# Altium PCB XDS110.PcbDoc (continued)
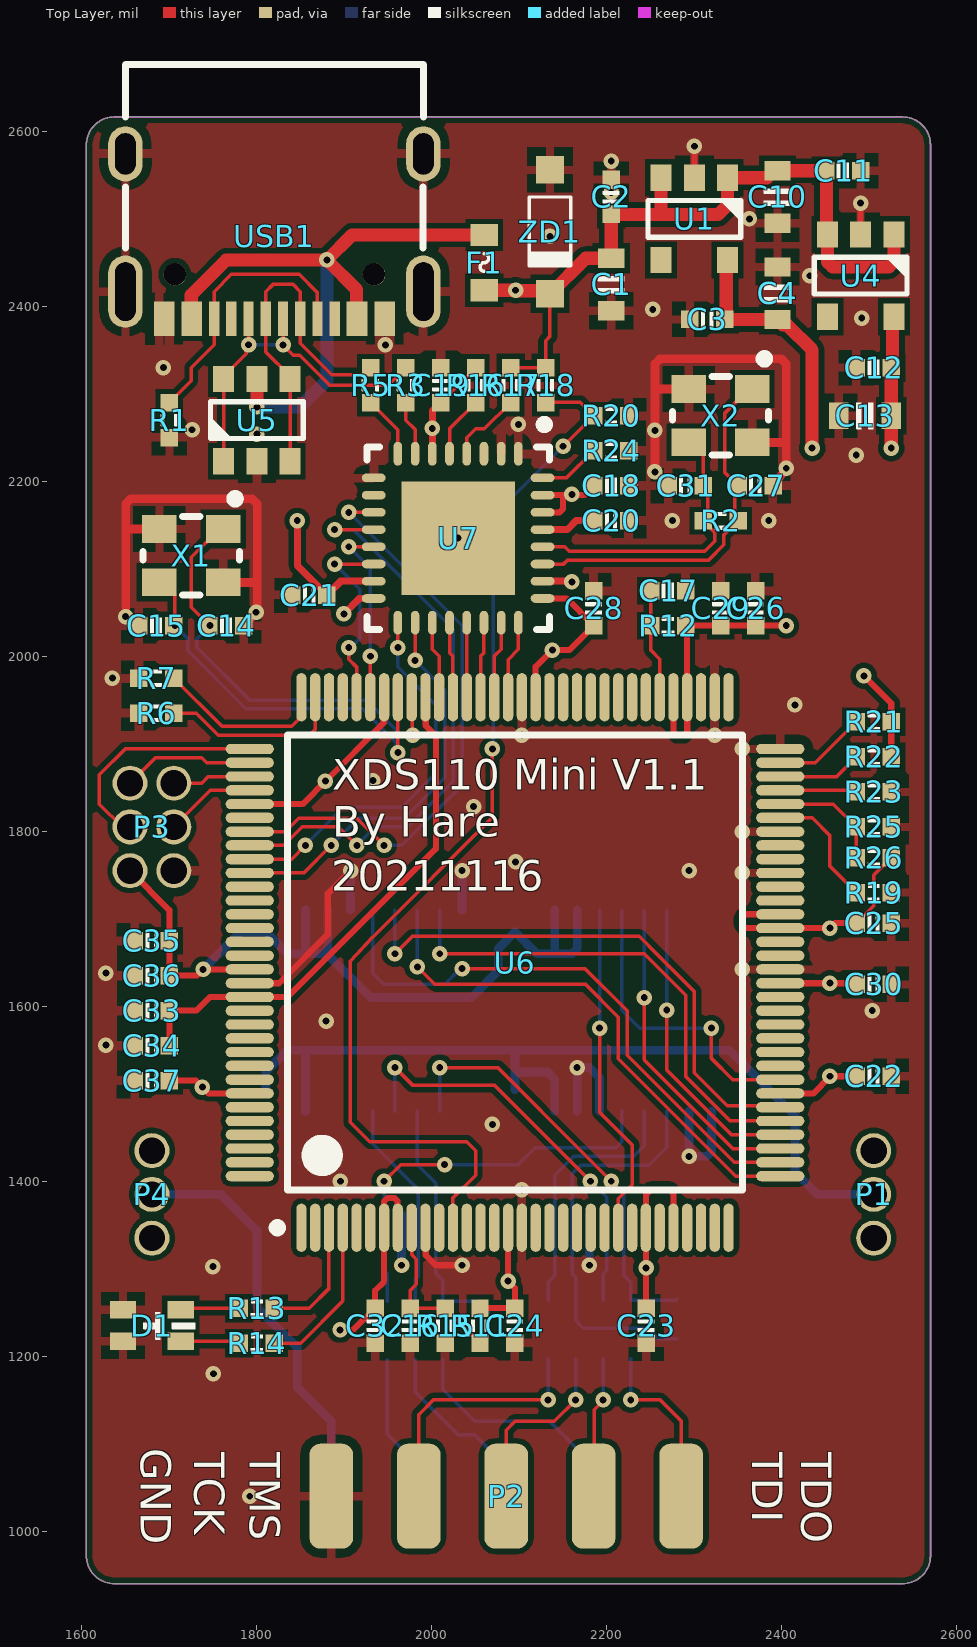
[diagram p0: Top Layer view]
## Footprints (in the part's own frame and the unit in brackets; to place one, negate y for a bottom-side part, rotate by r counter-clockwise, add the part's x,y. Pads: shape width x height; smd on the part's side, far side on the other; paste and mask are expansions set on the pad) (continued)
  silkscreen extent -7.02,-7.82 6.6,6.6, body extent -7,-7 7,7, height 1.05
QFN-32-5x5-P0.5 [mm] "QFN, 32-Leads, Body 4.95x4.95mm, Pitch 0.50mm, Thermal Pad 3.30x3.30mm, IPC Medium Density"
  oval 0.25x0.69 smd: 1(-1.75,-2.452) 2(-1.25,-2.452) 3(-0.75,-2.452) 4(-0.25,-2.452) 5(0.25,-2.452) 6(0.75,-2.452) 7(1.25,-2.452) 8(1.75,-2.452) 17(1.75,2.452) 18(1.25,2.452) 19(0.75,2.452) 20(0.25,2.452) 21(-0.25,2.452) 22(-0.75,2.452) 23(-1.25,2.452) 24(-1.75,2.452)
  oval 0.69x0.25 smd: 9(2.452,-1.75) 10(2.452,-1.25) 11(2.452,-0.75) 12(2.452,-0.25) 13(2.452,0.25) 14(2.452,0.75) 15(2.452,1.25) 16(2.452,1.75) 25(-2.452,1.75) 26(-2.452,1.25) 27(-2.452,0.75) 28(-2.452,0.25) 29(-2.452,-0.25) 30(-2.452,-0.75) 31(-2.452,-1.25) 32(-2.452,-1.75)
  rect 3.3x3.3 smd: 33(0,0)
  silkscreen extent -2.65,-3.42 2.65,2.65, body extent -2.5,-2.5 2.5,2.5, height 0.85
RES_0402 [mil]
  rect 20x20 smd: 1(-20,0) 2(20,0)
  silkscreen extent -7,-10 7,10, body extent -20,-10 20,10, height 14
RES_0603X4 [mm]
  rect 0.5x0.8 smd: 1(-1.2,-0.865) 2(-0.4,-0.865) 3(0.4,-0.865) 4(1.2,-0.865) 5(1.2,0.835) 6(0.4,0.835) 7(-0.4,0.835) 8(-1.2,0.835)
  silkscreen extent -1.4,-0.4 1.4,0.37, body extent -1.6,-0.8 1.6,0.8, height 0.51
SOD-123 [mm]
  rect 0.8x0.8 smd: 1(1.8,0) 2(-1.8,0)
  silkscreen extent -1.02,-0.6 1.02,0.6, body extent -1.95,-0.85 1.9,0.85, height 1.42
SOT-23-5 [mil]
  rect 30x24 smd: 1(47,-38) 2(47,0) 3(47,38) 4(-47,38) 5(-47,-38)
  silkscreen extent -21,-53 21,53, body extent -55,-57 55,57, height 57
SOT-23-6 [mil]
  rect 30x24 smd: 1(47,-38) 2(47,0) 3(47,38) 4(-47,38) 5(-47,0) 6(-47,-38)
  silkscreen extent -21,-53 21,53, body extent -55,-57 55,57, height 57
TSSOP-16-P0.65 [mil]
  oval 12x59.06 smd: 1(-89.57,-115) 2(-63.98,-115) 3(-38.39,-115) 4(-12.8,-115) 5(12.8,-115) 6(38.39,-115) 7(63.98,-115) 8(89.57,-115) 9(89.57,115) 10(63.98,115) 11(38.39,115) 12(12.8,115) 13(-12.8,115) 14(-38.39,115) 15(-63.98,115) 16(-89.57,115)
  silkscreen extent -101,-73 100,73, body extent -100,-126 100,126, height 47
USB-Type-C [mm]
  round 0.65 hole 0.65: 0(-1.105,2.89) 0(-1.105,-2.89)
  oval 1.6x1 hole 0.6 slot 1.2 at 0 deg: 1(2.395,4.325) 2(2.395,-4.325)
  oval 2.1x1 hole 0.6 slot 1.7 at 0 deg: 3(-1.605,-4.325) 4(-1.605,4.325)
  rect 1x0.3 smd: A1(-2.395,-3.35) A4(-2.395,-2.55) A5(-2.395,-1.25) A6(-2.395,-0.25) A7(-2.395,0.25) A8(-2.395,1.25) A9(-2.395,2.55) A12(-2.395,3.35) B1(-2.395,3.05) B4(-2.395,2.25) B5(-2.395,1.75) B6(-2.395,0.75) B7(-2.395,-0.75) B8(-2.395,-1.75) B9(-2.395,-2.25) B12(-2.395,-3.05)
  silkscreen extent -0.34,-4.33 4.99,4.33, body extent -2.67,-4.48 5.08,4.48, height 3.26
XTAL_2520-4 [mm]
  rect 1x0.8 smd: 1(-0.925,-0.775) 2(0.925,-0.775) 3(0.925,0.775) 4(-0.925,0.775)
  silkscreen extent -1.4,-1.78 1.4,1.14, body extent -1.25,-1 1.25,1, height 0.79

## Part data
C1 C2 C3 C4 C5 C6 C7 C8 C9 C10 C11 C12 C13 C14 C15 C16 C17 C18 C19 C20 C21 C22 C23 C24 C25 C26 C27 C28 C29 C30 C31 C32 C33 C34 C35 C36 C37: library part CAP, "Capacitor"
  C1 C4 C10 C13 C18 C20 C21 C25 C26 C33 C34: Specification="X7R 10V"
  C2 C3 C5 C6 C7 C8 C9 C11 C12 C16 C17 C19 C22 C23 C24 C28 C29 C30 C32 C35 C36 C37: Specification="X7R 50V"
  C14 C15 C27 C31: Specification="COG 50V"
D1: library part LEDx2, "LED双色", Value1=Green, Value2=Red
DN1 DN2: library part ESD_Array_4, "ESD_Array", Specification=6V
F1: library part Fuse, "Fuse", Specification="6V 0.5A"
P1 P4: library part HDR1x3, "Header", Type=1.27
P2: library part HDR2x5, "Header", Type=2.54
P3: library part HDR2x3, "Header", Type=1.27
R1 R2 R3 R4 R5 R6 R7 R8 R9 R11 R12 R13 R14 R15 R16 R17 R18 R19 R20 R21 R22 R23 R24 R25 R26: library part RES, "Resistor", Specification=±1%
RN1 RN2: library part RES-4, "Resistor Array", Specification=±5%
U1 U4: library part RT9193, "LDO"
U2 U3: library part SN74AVC4T245, "具有可配置电压转换和三态输出的 4 位双电源总线收发器"
U5: library part USBLC6-2, "Very low capacitance ESD protection"
U6: library part TM4C1294NCPDT, "32-bit Arm Cortex-M4F based MCU with 120-MHZ, 1-MB flash, 256-KB RAM, USB, ENET MAC+PHY"
U7: library part USB3300, "Hi-Speed USB Host, Device or OTG PHY with ULPI Low Pin Interface"
USB1: library part USB-Type-C
X1 X2: library part XTAL-4P
  X1: Specification=16M
  X2: Specification=24M
ZD1: library part Diode-ZD, "Zender Diode", Specification=200mW

## Via types
v1: diameter 17.72, hole 7.87, Top Layer to Bottom Layer, tented both sides, 112 vias

## Nets (pads, with @x,y where several pads share a name; then routed paths per layer and width w, separated by ;. In a path a pad name is that pad's centre, name@x,y a point inside that pad or via, vN(x,y) a via of type N, cw(c..) or ccw(c..) an arc to the next point about the centre after c; other vN are vias at no path point)
EXT_VCC: C9.2 P2.10 P4.2 | length 476
  Bottom Layer w10: P4.2 1758.64,1385 1800,1343.64 1800,1256.14 C9.2 1846.14,1164.4 1885,1125.54 P2.10
EXT_VREF: C6.2 C8.2 P1.2 U2.16 U3.16 | length 1031.4
  Bottom Layer w10: C6.2 1810,1525 1834.86,1549.86 1855.43,1549.86 ; U2.16 1855.43,1549.86 ; C8.2 2095,1525 ; U3.16 2140.43,1516.31 2131.74,1525 2095,1525 ; P1.2 2440.63,1385 2415,1410.63 2415,1475 2340.14,1549.86 2095,1549.86 ; 1855.43,1549.86 2095,1549.86 ; 2095,1525 2095,1549.86
EXT_XDS_RESET: DN1.4 DN1.7 RN2.6 U3.13 | length 464.3
  Top Layer w4: v1(1945.31,1400) 1964.27,1418.96 v1(2014.57,1418.96)
  Bottom Layer w4: v1(1945.31,1400) DN1.7 DN1.4 1945.31,1297.5 1949.24,1293.57 RN2.6 ; v1(2014.57,1418.96) 2098.47,1418.96 2118,1438.49 2210.69,1438.49 2217.2,1445 U3.13
EXT_XDS_RX: DN1.1 DN1.10 R8.2 RN2.8 U2.11 | length 287.2
  Bottom Layer w4: U2.11 1983.39,1418.96 2004.37,1397.98 2004.37,1294.61 2012.24,1286.74 RN2.8 2051.64,1262.89 2056.53,1258 2057,1258 R8.2
EXT_XDS_TCK: DN2.1 DN2.10 RN1.1 U3.12 | length 301.5
  Bottom Layer w4: RN1.1 2132.76,1284.48 2140.63,1292.34 2140.63,1322.78 2140.63,1357.22 2140.63,1406.77 2162.35,1428.49 2230.58,1428.49 2242.8,1440.7 U3.12
EXT_XDS_TDI: DN2.4 DN2.7 RN1.3 U2.12 | length 472.5
  Top Layer w4: v1(1957.8,1530) 1977.8,1510 2071.28,1510 v1(2181.28,1400)
  Bottom Layer w4: U2.12 v1(1957.8,1530) ; v1(2181.28,1400) 2199.69,1381.6 2199.69,1357.22 2199.69,1322.78 2199.69,1298.08 2195.76,1294.15 RN1.3
EXT_XDS_TDO: DN2.5 DN2.6 R4.2 RN1.4 U2.10 | length 498.3
  Top Layer w4: v1(2008.98,1530) 2075.12,1530 2176.64,1428.49 v1(2205.06,1400.06)
  Bottom Layer w4: U2.10 v1(2008.98,1530) ; v1(2205.06,1400.06) 2219.37,1385.75 2219.37,1292.34 2227.25,1284.46 RN1.4 2279.04,1264.04 R4.2
EXT_XDS_TMS: DN2.2 DN2.9 R9.2 RN1.2 U3.11 | length 455.2
  Bottom Layer w4: U3.11 2268.39,1438.95 2247.92,1418.49 2172,1418.49 ccw(c2172,1414.49) 2169.2,1417.35 2164.64,1412.89 2160.31,1408.56 2160.31,1293.94 2164.26,1290 RN1.2 2164.26,1240.88 2173.14,1232 2246.5,1232 2258.5,1220 R9.2
EXT_XDS_TX: DN1.2 DN1.9 RN2.7 U2.13 | length 240.5
  Bottom Layer w4: U2.13 1932.2,1442.97 1984.69,1390.49 1984.69,1357.22 1984.69,1322.78 1984.69,1291.3 1980.74,1287.35 RN2.7
GND: C1.1 C2.1 C3.1 C4.1 C5.2 C6.1 C7.2 C8.1 C9.1 C10.1 C11.1 C12.1 C13.1 C14.1 C15.1 C16.1 C17.1 C18.1 C19.1 C20.1 C21.1 C22.1 C23.1 C24.1 C25.1 C26.1 C27.1 C28.1 C29.1 C30.1 C31.1 C32.1 C33.1 C34.1 C35.1 C36.1 C37.1 D1.1 D1.2 DN1.3 DN1.8 DN2.3 DN2.8 P2.2 P2.9 P3.1 R1.1 R4.1 R6.2 R7.2 R8.1 R9.1 R15.1 R19.1 R20.1 R23.2 R24.1 R25.2 U1.2 U2.3 U2.8 U2.9 U2.14 U2.15 U3.7 U3.8 U3.9 U3.10 U3.14 U3.15 U4.2 U5.2 U6.10 U6.17 U6.48 U6.55 U6.58 U6.64 U6.66 U6.80 U6.114 U7.1 U7.2 U7.9 U7.33 USB1.1 USB1.2 USB1.3 USB1.4 USB1.A1 USB1.A12 USB1.B1 USB1.B12 X1.2 X1.4 X2.2 X2.4 ZD1.1 | length 1845.4
  Top Layer w7: U6.114 1825.25,1626.38 1881.02,1682.15 1881.02,1728.76 v1(1907.26,1755) ; U6.10 1992.98,1346.51 1992.98,1315.39 2004.37,1304 v1(2034.57,1304) ; U1.2 v1(2300,2583) ; U4.2 v1(2490,2518)
  Top Layer w10: C15.1 1656.16,2043.84 1651.48,2043.84 v1(1650,2045.31) 1650,2145.51 ; X1.2 1650,2145.51 ; X1.4 1800.31,2084.49 ; C14.1 1799.07,2049.07 v1(1799.07,2050.31) ; v1@1800.31,2050.31 1800.31,2084.49 ; C31.1 2265,2200 2265,2200.86 v1(2255,2210.86) 2255,2305.51 ; X2.2 2255,2305.51 ; X2.4 2405,2244.49 ; C27.1 2395,2200 2395,2202.72 2398.13,2205.86 2398.13,2206.05 2405,2212.91 v1(2405,2215) 2405,2244.49 ; 1650,2145.51 1650,2174.14 1655.86,2180 1794.46,2180 1800.31,2174.14 1800.31,2084.49 ; 2255,2305.51 2255,2334.14 2260.86,2340 2399.14,2340 2405,2334.14 2405,2244.49
  Bottom Layer w10: U2.3 1906.94,1710.33 1906.94,1754.67 v1(1907.26,1755) ; DN1.8 1965.17,1362.05 1965.17,1304.17 v1(1965.35,1304) ; U2.8 v1(2034.57,1755) ; U3.15 v1(2166.02,1530) 2179.68,1530 2191.61,1518.06 U3.14 ; v1(2180,1304) DN2.8 DN2.3 ; U3.10 v1(2293.98,1428.49) 2314.47,1428.49 2319.57,1433.58 U3.9
  other v1: 1791.85,1040 1750.23,1180 1749.64,1302.51 2102.87,1390.16 1895.46,1400 2069.13,1465 1627.51,1555.51 1879.05,1583.16 2503.31,1595.14 1627.51,1637.85 2354.84,1642.13 2354.84,1752.36 2293.98,1755 2095.63,1765 2354.84,1799.61 2047.76,1828.16 1932.53,1857.95 2354.84,1894.09 2102.87,1909.84 2323.35,1909.84 2415,1944.41 1634.75,1975 2030,2135 2275,2155 2385,2155 2485,2230 1800,2254 2255,2258.18 1725.95,2258.9 2098.9,2265.14 1693.11,2330 1946.89,2356.02 2491.3,2386.5 2252.48,2396.5 2432,2435 2135,2480 2363,2500 2205,2530.12 2205,2566
ITCK: P3.3 U6.100 | length 104.2
  Top Layer w4: P3.3 1746.85,1846.85 U6.100
ITDI: P3.6 U6.98 | length 151.3
  Top Layer w4: P3.6 1684.1,1884.09 1736.76,1884.09 1742.51,1878.35 U6.98
ITDO: P3.4 U6.97 | length 263.5
  Top Layer w4: P3.4 1646.1,1805 1620,1831.1 1620,1864.75 1649.34,1894.09 U6.97
ITMS: P3.5 U6.99 | length 90
  Top Layer w4: P3.5 1736.76,1855 1744.36,1862.6 U6.99
NetC16_2: C16.2 R11.1 R15.2 U6.9 | length 193.6
  Top Layer w4: U6.9 1976.89,1316.3 1982.2,1310.98 1982.2,1282.2 1975,1275 C16.2 R15.2 R11.1
NetC20_2: C20.2 U7.29 | length 62.7
  Top Layer w8: U7.29 2154.84,2144.84 2165,2155 C20.2
NetC21_2: C21.2 U7.15 U7.26 | length 860.5
  Top Layer w8: v1(1846.14,2155) 1846.14,2103.86 C21.2 1895.79,2085.79 U7.15 ; U7.26 2159.21,2085.79 v1(2160,2085)
  Layer 2 w10: v1(1846.14,2155) 1846.14,2217.72 1933.7,2305.28 2154.72,2305.28 2205.42,2254.58 2205.42,2130.42 v1(2160,2085)
NetC33_2: C33.2 C34.2 U6.87 U6.115 | length 599.3
  Top Layer w7: C34.2 C33.2 1730.83,1595 1746.46,1610.63 U6.115 1835.16,1610.63 2004.57,1780.04 2004.57,1909.24 1992.98,1920.82 1992.98,1952.81 U6.87
NetD1_3: D1.3 R14.2 | length 67.8
  Top Layer w4: D1.3 1778,1217 R14.2
NetD1_4: D1.4 R13.2 | length 67.8
  Top Layer w4: D1.4 1715,1255 R13.2
NetP2_1: P2.1 RN1.5 | length 200.8
  Top Layer w4: v1(2227.25,1150) 2260.99,1150 2285,1125.99 P2.1
  Bottom Layer w4: v1(2227.25,1150) RN1.5
NetP2_3: P2.3 RN1.6 | length 161.6
  Top Layer w4: P2.3 2185.76,1040.76 2185.76,1138.99 2195.76,1148.99 v1(2195.76,1150)
  Bottom Layer w4: v1(2195.76,1150) RN1.6
NetP2_4: P2.4 RN2.1 | length 277.6
  Bottom Layer w4: RN2.1 2012.24,1162.33 2049.02,1125.54 2134.46,1125.54 2185,1075 P2.4
NetP2_5: P2.5 RN1.7 | length 216.2
  Top Layer w4: P2.5 2085,1115.54 2095,1125.54 2139.8,1125.54 v1(2164.26,1150)
  Bottom Layer w4: v1(2164.26,1150) RN1.7
NetP2_6: P2.6 RN2.2 | length 210.3
  Bottom Layer w4: RN2.2 1980.74,1159.37 2030.11,1110 2049.13,1110 2085,1074.13 P2.6
NetP2_7: P2.7 RN1.8 | length 295.1
  Top Layer w4: P2.7 1985,1133.23 2001.77,1150 v1(2132.76,1150)
  Bottom Layer w4: v1(2132.76,1150) RN1.8
NetP2_8: P2.8 RN2.3 | length 170.8
  Bottom Layer w4: RN2.3 1949.24,1110.76 1985,1075 P2.8
NetR1_2: R1.2 USB1.A5 USB1.B5 | length 312.8
  Top Layer w4: R1.2 1725,2315 1725,2330 1751.1,2356.1 USB1.B5 1751.1,2416.81 1770.79,2436.5 1848.35,2436.5 1869.21,2415.63 USB1.A5
NetR6_1: R6.1 U6.95 | length 211.4
  Top Layer w4: R6.1 1730.86,1935 1756.02,1909.84 1859.84,1909.84 1866.65,1916.65 U6.95
NetR7_1: R7.1 U6.96 | length 195.7
  Top Layer w4: R7.1 1760.16,1919.84 1840,1919.84 1850.91,1930.75 U6.96
NetR13_1: R13.1 U6.3 | length 141.1
  Top Layer w4: R13.1 1860,1255 1882.4,1277.4 U6.3
NetR14_1: R14.1 U6.4 | length 181.8
  Top Layer w4: R14.1 1850,1215 1898.15,1263.15 U6.4
NetR16_2: R16.2 U7.5 | length 70.8
  Top Layer w4: U7.5 2020.16,2260.16 R16.2
NetR17_1: R17.1 U7.4 | length 85.1
  Top Layer w4: U7.4 2039.84,2249.84 2050,2260 2060,2260 R17.1
NetR19_2: R19.2 U6.59 | length 142.7
  Top Layer w4: U6.59 2434.65,1815.35 2455,1795 2455,1760 R19.2
NetR21_1: R21.1 U6.63 | length 106.2
  Top Layer w4: U6.63 2438.35,1878.35 R21.1
NetR22_1: R22.1 U6.62 | length 96.1
  Top Layer w4: U6.62 2462.6,1862.6 R22.1
NetR23_1: R23.1 U6.61 | length 87.6
  Top Layer w4: U6.61 2483.15,1846.85 R23.1
NetR24_2: R24.2 U7.32 | length 71.4
  Top Layer w4: U7.32 2153.9,2203.9 R24.2
NetR25_1: R25.1 R26.1 U6.60 | length 132.7
  Top Layer w4: U6.60 2458.9,1831.1 R25.1 R26.1
NRST: C17.2 R12.1 U6.70 | length 126.1
  Top Layer w4: C17.2 R12.1 2250,2007.14 2260.35,1996.78 U6.70
USB0_DM: U6.93
USB0_DP: U6.94
USB_VBUS: C1.2 C2.2 C10.2 C11.2 F1.2 P4.3 R17.2 R18.2 U1.1 U1.3 U4.1 U4.3 ZD1.2 | length 2067
  Top Layer w4: R17.2 R18.2 2130,2360.87 2135,2365.87 ZD1.2
  Top Layer w15: F1.2 2060.07,2418.43 v1(2095.63,2418.36) v1(2095.63,2418.36) 2096.15,2417.84 2131.29,2417.84 ZD1.2 2175.87,2455 C1.2 C2.2 2262,2505 ; U1.3 2262,2505 ; U4.1 2528,2450.86 2522.14,2445 2457.86,2445 2452,2450.86 U4.3 2451,2483 2451,2554 C11.2 C10.2 2391,2555 2383,2547 U1.1 2338,2515.86 2327.14,2505 2262,2505
  Layer 1 w15: P4.3 1681.43,1436.43 1681.43,1506.13 1821.43,1646.13 1821.43,2192.71 1935.13,2306.41 1983.97,2306.41 2095.63,2418.07 v1(2095.63,2418.36)
USBC_DM: R5.1 U5.3 U5.4 USB1.A7 USB1.B7 | length 409
  Top Layer w4: U5.3 U5.4 1838,2320 1810.16,2347.84 USB1.A7 1810.16,2416.81 1818.35,2425 1841.34,2425 1849.53,2416.81 USB1.B7 1849.53,2357.93 1885.46,2322 1922,2322 R5.1
USBC_DP: R3.1 U5.1 U5.6 USB1.A6 USB1.B6 | length 411.3
  Top Layer w4: U5.1 U5.6 1762,2320 1787.85,2345.85 1787.85,2353.48 v1(1790.47,2356.1) USB1.B6 ; USB1.A6 v1(1829.84,2355.84) 1841.42,2344.27 1849.05,2344.27 1883.31,2310 1950,2310 R3.1
  Bottom Layer w4: v1(1790.47,2356.1) 1829.58,2356.1 v1(1829.84,2355.84)
USBPHY_CLK: U6.92 U7.14 | length 219.3
  Top Layer w4: v1(1888.9,2105.47) U7.14 ; v1(1904.92,2009.92) 1904.92,1996.8 1913.9,1987.82 U6.92
  Bottom Layer w4: v1(1888.9,2105.47) 1901.22,2093.15 1917.75,2076.62 1917.75,2020.4 1907.26,2009.92 v1(1904.92,2009.92)
USBPHY_D0: U6.81 U7.24 | length 90.2
  Top Layer w4: U6.81 2087.13,1996.14 2098.9,2007.91 U7.24
USBPHY_D1: U6.82 U7.23 | length 88.6
  Top Layer w4: U6.82 2071.38,2000.35 2079.21,2008.19 U7.23
USBPHY_D2: U6.83 U7.22 | length 86.9
  Top Layer w4: U6.83 2055.63,2000.08 2059.53,2003.98 U7.22
USBPHY_D3: U6.84 U7.21 | length 85.3
  Top Layer w4: U6.84@2039.86,1953.17 U7.21@2039.86,2038.46
USBPHY_D4: U6.85 U7.20 | length 87
  Top Layer w4: U7.20 2020.16,2003.98 2024.13,2000 U6.85
USBPHY_D5: U6.86 U7.19 | length 88.6
  Top Layer w4: U7.19 2000.47,2007.91 2008.39,2000 U6.86
USBPHY_D6: U6.106 U7.18 | length 459.1
  Top Layer w4: U6.106 1853.5,1752.36 v1(1885,1783.86) ; v1(1980.79,1995.35) U7.18
  Bottom Layer w4: v1(1885,1783.86) 1916.14,1815 1968.4,1815 2014.57,1861.16 2014.57,1961.57 v1(1980.79,1995.35)
USBPHY_D7: U6.105 U7.17 | length 443.6
  Top Layer w4: U6.105 1839.69,1768.11 v1(1855.43,1783.86) ; v1(1961.1,2009.92) U7.17
  Bottom Layer w4: v1(1855.43,1783.86) 1898.86,1827.29 1965.67,1827.29 2004.57,1866.18 2004.57,1944.41 1961.1,1987.87 v1(1961.1,2009.92)
USBPHY_DIR: U6.104 U7.12 | length 681.8
  Top Layer w4: U6.104 1830.62,1783.86 1851.76,1805 1893.19,1805 v1(1914.33,1783.86) ; v1(1888.9,2144.84) U7.12
  Bottom Layer w4: v1(1888.9,2144.84) 1910.46,2144.84 2024.57,2030.74 2024.57,1857.02 1972.55,1805 1935.48,1805 v1(1914.33,1783.86)
USBPHY_DM: R5.2 U7.8 | length 71.4
  Top Layer w4: R5.2 1961.1,2258.9 U7.8
USBPHY_DP: R3.2 U7.7 | length 62.9
  Top Layer w4: R3.2 1970,2270 1980.79,2259.21 U7.7
USBPHY_NXT: U6.103 U7.11 | length 684.5
  Top Layer w4: U6.103 1832.23,1799.61 1847.62,1815 1914.17,1815 v1(1945.31,1783.86) ; v1(1904.92,2164.53) U7.11
  Bottom Layer w4: v1(1904.92,2164.53) 2034.57,2034.88 2034.57,1852.88 1965.55,1783.86 v1(1945.31,1783.86)
USBPHY_STP: U6.91 U7.13 | length 210.8
  Top Layer w4: v1(1904.92,2125.16) U7.13 ; U6.91 v1(1929.65,2000)
  Bottom Layer w4: v1(1904.92,2125.16) 1929.65,2100.43 v1(1929.65,2000)
VBUS: F1.1 U5.5 USB1.A4 USB1.A9 USB1.B4 USB1.B9 | length 706.5
  Top Layer w15: USB1.A9@1721.2,2397.89 1725,2401.69 1725,2413 1765,2453 v1(1880.09,2453) ; v1(1800,2285) U5.5 ; USB1.B9@1913.9,2402.8 1913.9,2419.19 v1(1880.09,2453) ; F1.1 1908.58,2481.49 v1(1880.09,2453)
  Bottom Layer w15: v1(1800,2285) 1849.58,2285 1880.09,2315.5 v1(1880.09,2453)
VBUS_DET: R18.1 R20.2 U6.12 | length 1239.7
  Top Layer w4: U6.12 2024.13,1381.13 2050,1407 2050,1434.84 2039.84,1445 1928.82,1445 1906.58,1467.24 1906.58,1651.63 1932.2,1678.82 2069.13,1815.75 v1(2069.13,1894.09) ; R18.1 2130.31,2290.31 2169.69,2290.31 R20.2 v1(2150.08,2240.08)
  Bottom Layer w4: v1(2069.13,1894.09) 2070,1894.96 2070,2160 v1(2150.08,2240.08)
VCC_1V8: C12.2 C13.2 P1.3 U4.5 | length 1078.4
  Top Layer w15: v1(2525,2238.03) C13.2 2525,2328.5 2526.5,2330 2526.5,2386.5 U4.5
  Layer 2 w15: P1.3 2543.93,1373.93 2543.93,2219.48 2525.39,2238.03 v1(2525,2238.03)
VCC_3V3: C3.2 C4.2 C5.1 C7.1 C18.2 C19.2 C22.2 C23.2 C24.2 C25.2 C26.2 C28.2 C29.2 C30.2 C32.2 C35.2 C36.2 C37.2 P1.1 P3.2 P4.1 R11.2 R12.2 R16.1 R21.2 R22.2 R26.2 U1.5 U2.1 U2.2 U3.1 U3.2 U6.7 U6.8 U6.16 U6.26 U6.28 U6.39 U6.47 U6.51 U6.52 U6.68 U6.69 U6.79 U6.90 U6.101 U6.113 U6.122 U7.6 U7.16 U7.25 U7.30 U7.31 | length 6752.8
  Top Layer w4: C19.2 R16.1 ; C25.2 2505,1715 2505,1750 R26.2
  Top Layer w7: P3.2 1700,1710 C35.2 C36.2 1731.42,1635 v1(1738.54,1642.13) U6.113 ; C37.2 1730.39,1515 ; 1745,1500.39 U6.122 ; U6.101 1852.14,1831.1 v1@1880.46,1859.42 ; v1(1878.41,1857.37) 1945.05,1924.01 1945.05,1952.81 U6.90 ; v1(1895,1230) 1910,1230 C32.2 1935,1275 1945.39,1285.39 U6.7 1945.39,1376.9 1949.49,1381 1957.04,1381 1960.8,1377.24 1960.8,1347.19 U6.8 ; R11.2 C24.2 2095,1277.94 v1(2087.13,1285.81) U6.16 ; U6.79 2118.62,1987.99 v1(2137.77,2007.14) 2157.14,2007.14 C28.2 2153.9,2066.1 U7.25 ; U7.30 2145.98,2164.53 2150.08,2168.63 2150.08,2184.21 ; U7.31 2150.08,2184.21 ; C18.2 2174.21,2184.21 2150.08,2184.21 ; C23.2 2244.8,1255.2 v1(2244.8,1300.93) 2244.8,1346.65 U6.26 2244.61,1384.76 2250,1390.16 2272,1390.16 2276.1,1386.06 U6.28 ; U6.69 2276.1,1913.94 2280.2,1909.84 2287.75,1909.84 2291.85,1913.94 U6.68 2291.51,1953.49 2291.51,2033.49 R12.2 C29.2 C26.2 v1(2405,2035) ; U6.39 2436.21,1500.39 2455,1519.19 v1(2455,1520) C22.2 ; U6.47 v1(2455,1626.38) 2483.62,1626.38 C30.2 ; U6.52 2358.94,1705.12 2354.84,1701.02 2354.84,1693.47 2358.94,1689.37 U6.51 v1(2455,1689.37) 2460.63,1695 C25.2 ; v1(2493.78,1977.6) 2525,1946.38 R22.2
  Top Layer w8: v1(1899.39,2048.48) 1916.95,2066.04 1933.42,2066.04 U7.16 ; U7.6 v1(2000.47,2260.47) 2000.47,2280.47 C19.2
  Top Layer w15: U1.5 2336.5,2451.5 2336.5,2385 C4.2 2401,2379 2405.79,2379 2434.65,2350.14 v1(2434.65,2238.03)
  Layer 2 w15: v1(1895,1230) 1785,1230 P4.1 1737.7,1392.7 v1(1737.7,1507.7) 1738.12,1508.12 1738.12,1641.7 v1(1738.54,1642.13) 1738.54,1718.15 1877.77,1857.37 1879.05,1857.37 1879.05,2028.15 v1(1899.39,2048.48) 2075.94,2048.48 ; v1(2000.47,2260.47) 2075.94,2185 ; v1(2087.13,1285.81) 2111.44,1261.5 2205.38,1261.5 v1(2244.8,1300.93) 2455,1511.12 ; v1(2160,2185) 2075.94,2185 ; v1(2434.65,2238.03) 2434.65,2035.35 2435,2035 ; P1.1 2503.31,1436.69 2503.31,1462.81 2455,1511.12 ; 2075.94,2048.48 2096.42,2048.48 v1(2137.77,2007.14) 2377.14,2007.14 v1(2405,2035) 2435,2035 ; 2075.94,2048.48 2075.94,2185 ; 2435,2035 2492.4,1977.6 v1(2493.78,1977.6) 2505,1966.38 2505,1739.37 v1(2455,1689.37) v1(2455,1626.38) v1(2455,1520) 2455,1511.12
  Bottom Layer w10: v1(1738.54,1642.13) 1781.42,1685 C5.1 1835,1660 1855.78,1660 ; U2.1 1855.43,1660.35 1855.78,1660 ; 1877.58,1662.42 1930,1610 2045.39,1610 2075.86,1640.46 2075.86,1665.86 C7.1 2120,1660 2140.08,1660 ; U2.2 1881.02,1665.86 1875.17,1660 1855.78,1660 ; U3.1 2140.43,1660.35 2140.08,1660 ; U3.2 2166.02,1665.86 2160.17,1660 2140.08,1660
XDS_RESET: U3.4 U6.40 | length 348.6
  Top Layer w4: v1(2319.57,1575) 2319.57,1540.31 2343.74,1516.14 U6.40
  Bottom Layer w4: U3.4 2217.2,1595.59 2237.8,1575 v1(2319.57,1575)
XDS_RX: U2.6 U6.33 | length 606.6
  Top Layer w4: v1(1983.39,1645) 2003.39,1625 2175.59,1625 2213.11,1587.48 2213.11,1540.04 2347.24,1405.91 U6.33
  Bottom Layer w4: v1(1983.39,1645) U2.6
XDS_SWO: U6.25
XDS_TCK: U3.5 U6.35 | length 368.6
  Top Layer w4: v1(2242.8,1610) 2242.8,1538.64 2344.03,1437.4 U6.35
  Bottom Layer w4: v1(2242.8,1610) U3.5
XDS_TDI: U2.5 U6.38 | length 634.1
  Top Layer w4: v1(1957.8,1660) 1977.8,1680 2236.94,1680 2259.06,1657.87 2300,1616.94 2300,1523.86 2337.72,1486.14 2396.66,1486.14 U6.38
  Bottom Layer w4: v1(1957.8,1660) U2.5
XDS_TDO: U2.7 U6.37 | length 572.9
  Top Layer w4: v1(2008.98,1660) 2242.8,1660 2290,1612.8 2290,1519.72 2340.82,1468.9 U6.37
  Bottom Layer w4: v1(2008.98,1660) U2.7
XDS_TMS: U3.6 U6.36 | length 343.2
  Top Layer w4: v1(2268.39,1595.59) 2268.39,1527.19 2342.43,1453.15 U6.36
  Bottom Layer w4: v1(2268.39,1595.59) U3.6
XDS_TMS_DIR: U3.3 U6.24 | length 385.1
  Top Layer w4: v1(2191.61,1575) 2191.61,1478.71 2228.86,1441.46 2228.86,1395.91 2213.11,1380.16 U6.24
  Bottom Layer w4: v1(2191.61,1575) U3.3
XDS_TX: U2.4 U6.34 | length 672.4
  Top Layer w4: v1(2034.57,1643.14) 2174.65,1643.14 2223.11,1594.69 2223.11,1544.18 2345.64,1421.65 U6.34
  Bottom Layer w4: U2.4 1932.2,1637.61 1944.81,1625 2014.57,1625 2032.71,1643.14 v1(2034.57,1643.14)
XTAL16M_IN: C15.2 U6.89 X1.3 | length 450.9
  Top Layer w4: X1.3 1692.47,2084.49 1706.22,2070.74 v1(1706.22,2035) ; v1(1961.1,1890) v1(1961.1,1890) U6.89
  Bottom Layer w4: v1(1706.22,2035) 1721.19,2020.03 1721.19,2006.24 1787.43,1940 1920.69,1940 1959.39,1901.3 1959.39,1891.71 v1(1961.1,1890)
XTAL16M_OUT: C14.2 U6.88 X1.1 | length 500.5
  Top Layer w4: v1(1746.22,2035) C14.2 1737,2043 1737,2044.22 1725,2056.22 1725,2113.03 1757.48,2145.51 X1.1 ; U6.88 1977.44,1952.59 1977.44,1910.4 v1(1978,1909.84)
  Bottom Layer w4: v1(1746.22,2035) 1731.19,2019.97 1731.19,2010.38 1791.57,1950 1924.83,1950 1964.99,1909.84 v1(1978,1909.84)
XTAL24M_IN: C31.2 R2.1 U7.28 X2.3 | length 335.2
  Top Layer w4: U7.28 2151.98,2125.16 2157.14,2120 2312.07,2120 2323.5,2131.43 2323.5,2141.5 R2.1 2315.19,2160.19 2315.19,2189.81 C31.2 2310,2230.74 2296.25,2244.49 X2.3
XTAL24M_OUT: C27.2 R2.2 U7.27 X2.1 | length 425.7
  Top Layer w4: U7.27 2150.47,2105.47 2155,2110 2316.21,2110 2333.65,2127.44 2333.65,2138.65 R2.2 2346.29,2158.71 2346.29,2191.29 C27.2 2335,2210 2335,2278.03 2362.48,2305.51 X2.1
pads on no net: DN1.5 DN1.6 RN2.4 RN2.5 U1.4 U4.4 U6.1 U6.2 U6.5 U6.6 U6.11 U6.13 U6.14 U6.15 U6.18 U6.19 U6.20 U6.21 U6.22 U6.23 U6.27 U6.29 U6.30 U6.31 U6.32 U6.41 U6.42 U6.43 U6.44 U6.45 U6.46 U6.49 U6.50 U6.53 U6.54 U6.56 U6.57 U6.65 U6.67 U6.71 U6.72 U6.73 U6.74 U6.75 U6.76 U6.77 U6.78 U6.102 U6.107 U6.108 U6.109 U6.110 U6.111 U6.112 U6.116 U6.117 U6.118 U6.119 U6.120 U6.121 U6.123 U6.124 U6.125 U6.126 U6.127 U6.128 U7.3 U7.10 USB1.0 USB1.A8 USB1.B8

## Polygon pours and split planes (outlines as drawn)
GND on Layer 1 "GND_L02_P000" (solid, remove dead copper, pour order 0): 1580,2630 1585,2635 2590,2635 2590,920 1575.81,920
GND on Top Layer "GND_L01_P001" (solid, remove dead copper, pour order 1): 1580,2630 1585,2635 2590,2635 2590,920 1575.81,920
GND on Layer 2 "GND_L03_P002" (solid, remove dead copper, pour order 2): 1580,2630 1585,2635 2590,2635 2590,920 1575.81,920
GND on Bottom Layer "GND_L04_P003" (solid, remove dead copper, pour order 3): 1580,2630 1585,2635 2590,2635 2590,920 1575.81,920

## Keep-outs
Keep-Out Layer:
  the board outline again, w2.01

## Silkscreen, mask and mechanical layers (free items; w line width, h text height)
Top Overlay:
  text "XDS110 Mini V1.1" at 1886.34,1836.17 h60
  text "By Hare" at 1886.34,1782.27 h60
  text "20211116" at 1884.94,1720.67 h60
  text "GND" at 1655.67,1095 h60 r270
  text "TCK" at 1717.17,1090 h60 r270
  text "TMS" at 1780.67,1090 h60 r270
  text "TDI" at 2354.84,1090 h60 r270
  text "TDO" at 2410.67,1090 h60 r270
Bottom Overlay:
  text "3V3" at 2465,1425.67 h60
  text "5V" at 1775,1415.67 h60
  text "VIO" at 2464.94,1372.67 h60
  text "VOUT" at 1864.94,1365.67 h60
  text "1V8" at 2465,1318.67 h60
  text "3V3" at 1810,1313.67 h60
  text "VOUT" at 1759.33,1129.94 h60 r90
  text "GND" at 2504.33,1095 h60 r90
  text "RXD" at 2450,1087.67 h60 r90
  text "TXD" at 2390,1084.68 h60 r90
  text "RST" at 1818.33,1084.21 h60 r90
Mechanical 1:
  the board outline again, w2.01